# KiCad board gigan rev2.kicad_pcb
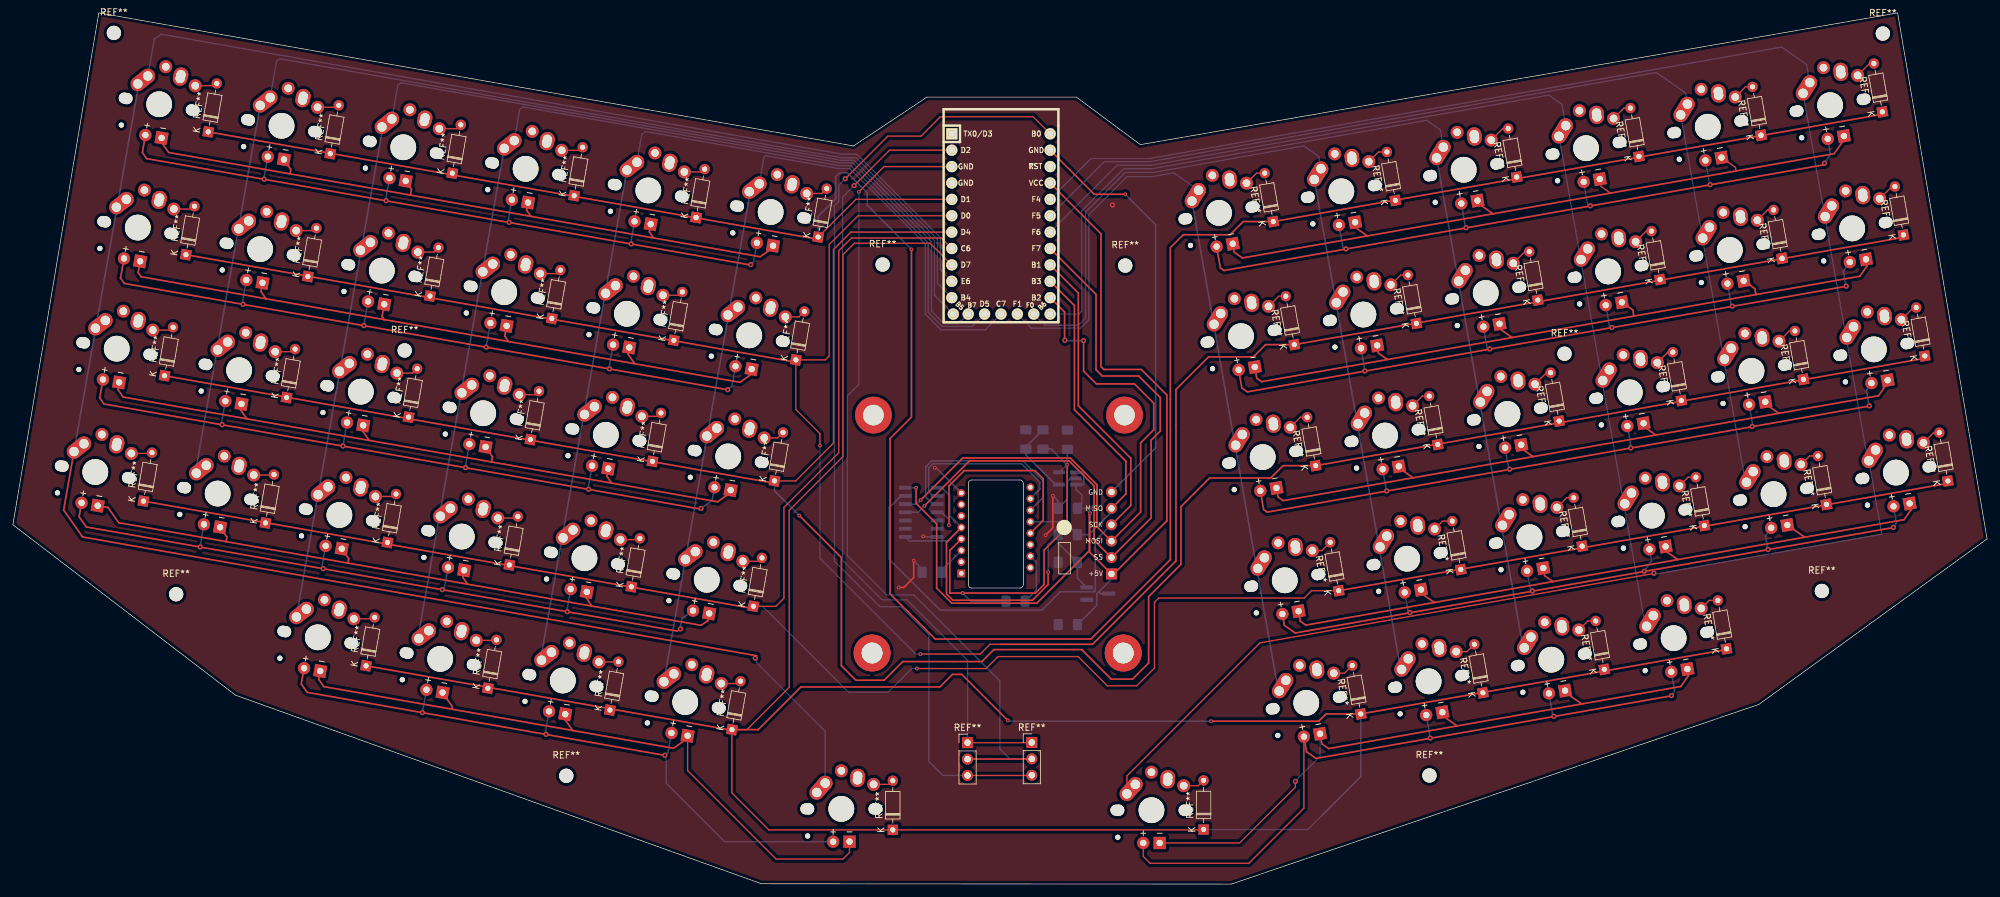
[diagram p0: board, top side]
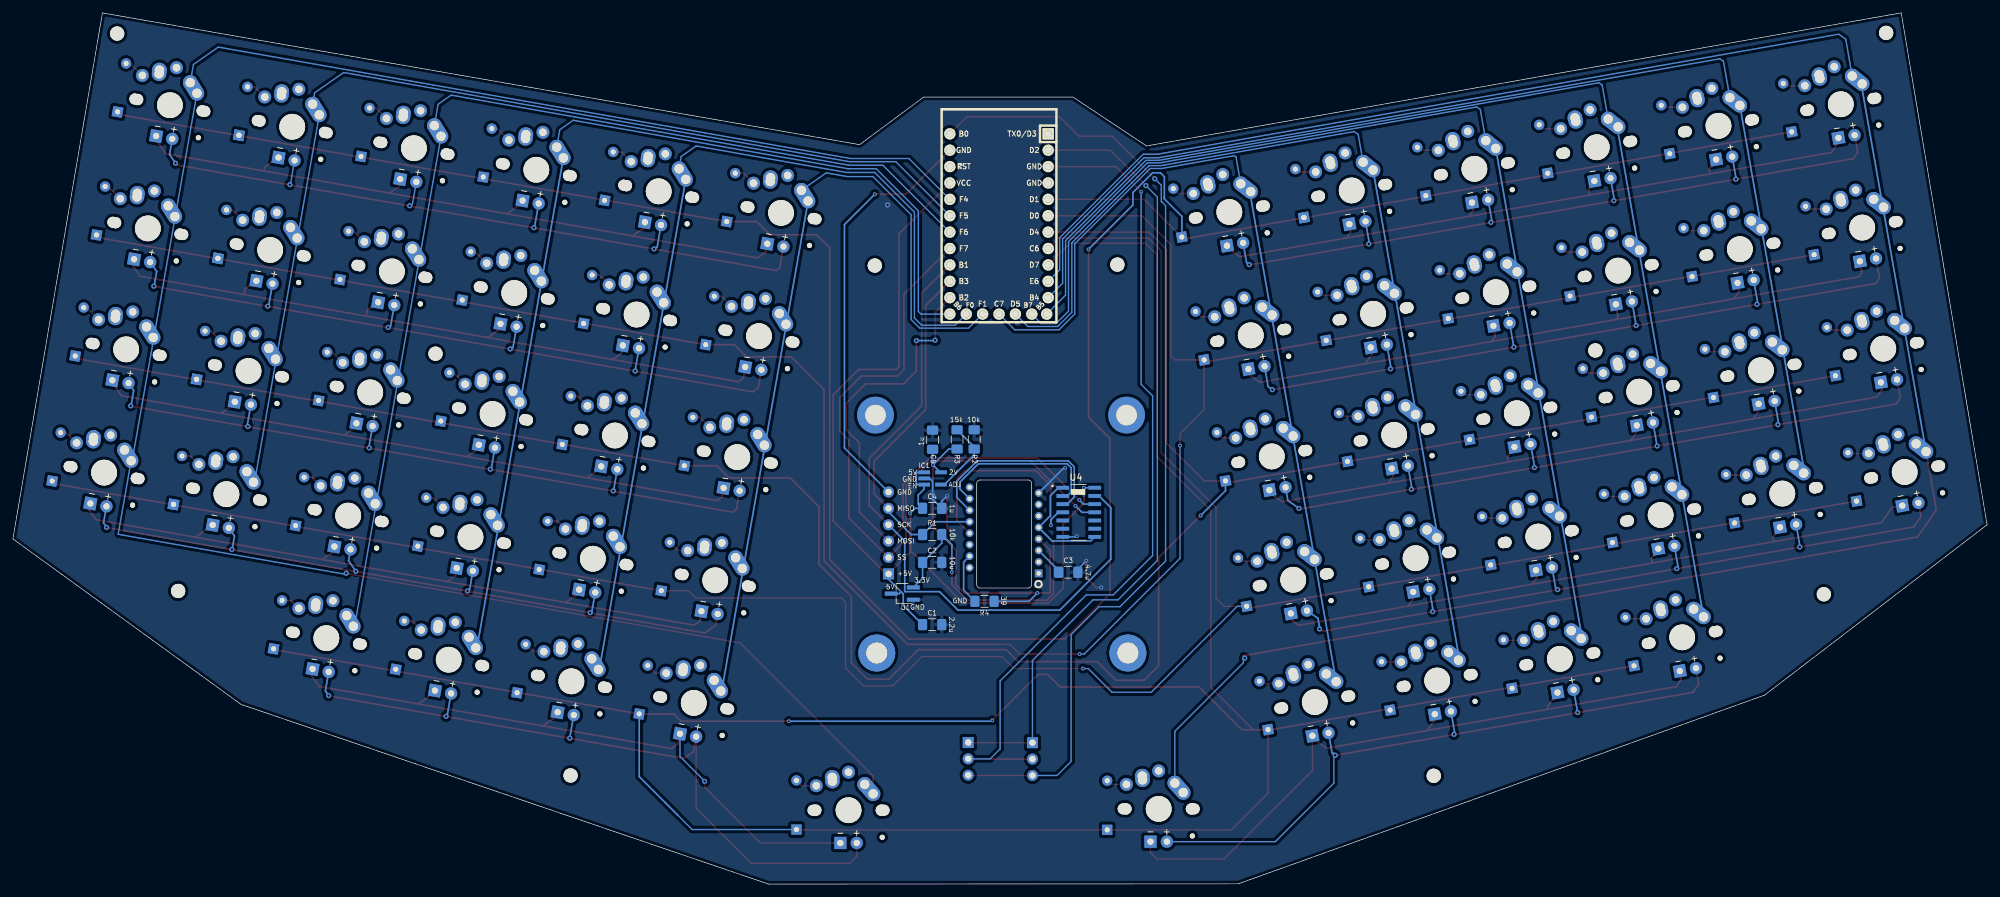
[diagram p1: board, bottom side, seen from below]

Outline 305.92 x 135.05 mm; copper layers: Top, Bottom. Coordinates in mm from the lower left corner of the outline.
Outline path: 0,55.7 13.31,135.05 130.25,114.43 141.63,122 164.8,122 174.7,114.63 292.05,135.05 305.92,53.52 270.56,27.86 188.8,0 116,0.05 34.49,29.29 0,55.7 ; 148.07,62.14 arc(148.22,62.5) 148.57,62.64 156.07,62.64 arc(156.42,62.5) 156.57,62.14 156.57,46.39 arc(156.42,46.04) 156.07,45.89 148.57,45.89 arc(148.22,46.04) 148.07,46.39 148.07,62.14
Stack: Top 0.035mm / dielectric 1.51mm FR4 er 4.5 / Bottom 0.035mm

## Placement (name value [footprint] x y rotation side)
C1  2.2uF  [C_1206_3216Metric_Pad1.42x1.75mm_HandSolder]  163.47 40.22 180 bottom
C2  10uF  [C_1206_3216Metric_Pad1.42x1.75mm_HandSolder]  163.47 49.87 180 bottom
C3  4.7uF  [C_1206_3216Metric_Pad1.42x1.75mm_HandSolder]  142.38 48.35 180 bottom
C4  1uF  [C_1206_3216Metric_Pad1.42x1.75mm_HandSolder]  163.47 58.25 180 bottom
C5  1uF  [C_1206_3216Metric_Pad1.42x1.75mm_HandSolder]  163.41 68.88 90 bottom
IC1  AP7335-WG-7  [AP7331]  163.41 62.88 180 bottom
J1  Conn_01x06_Female  [PinHeader_1x06_P2.54mm_Vertical]  170.23 60.78 0 top
NOREF  -  [unnamed]  270.89 116.08 10 top
NOREF#2  -  [unnamed#2]  172.05 35.82 0 top
NOREF#3  -  [unnamed]  281.03 58.86 10 top
NOREF#4  -  [unnamed]  274.15 97.01 10 top
NOREF#5  -  [unnamed#2]  133.14 35.82 0 top
NOREF#6  -  [#2]  152.4 72.75 0 top
NOREF#7  -  [unnamed#2]  172.26 72.7 0 top
NOREF#8  -  [unnamed]  277.46 78.25 10 top
NOREF#9  -  [unnamed]  105.87 103.33 350 top
NOREF#10  -  [unnamed#2]  133.14 35.82 0 top
NOREF#11  -  [unnamed#2]  172.05 35.82 0 top
NOREF#12  -  [unnamed#2]  133.34 72.7 0 top
R1  10k  [R_1206_3216Metric_Pad1.42x1.75mm_HandSolder]  163.47 54.19 0 bottom
R2  10k  [R_1206_3216Metric_Pad1.42x1.75mm_HandSolder]  156.96 68.93 90 bottom
R3  15k  [R_1206_3216Metric_Pad1.42x1.75mm_HandSolder]  159.61 68.93 270 bottom
R4  39  [R_1206_3216Metric_Pad1.42x1.75mm_HandSolder]  155.36 43.83 0 bottom
REF**  -  [D_DO-35_SOD27_P7.62mm_Horizontal]  58.04 52.96 80 top
REF**#2  1U  [MX-Alps-Choc-1U]  117.42 104.19 350 top
REF**#3  1U  [MX-Alps-Choc-1U]  176.43 11.46 0 top
REF**#4  -  [D_DO-35_SOD27_P7.62mm_Horizontal]  45.71 94.18 80 top
REF**#5  1U  [MX-Alps-Choc-1U]  91.88 69.64 350 top
REF**#6  -  [D_DO-35_SOD27_P7.62mm_Horizontal]  274.15 97.01 100 top
REF**#7  1U  [MX-Alps-Choc-1U]  53.91 76.33 350 top
REF**#8  1U  [MX-Alps-Choc-1U]  72.87 72.99 350 top
REF**#9  1U  [MX-Alps-Choc-1U]  60.49 114.22 350 top
REF**#10  1U  [MX-Alps-Choc-1U]  262.63 117.4 10 top
REF**#11  -  [D_DO-35_SOD27_P7.62mm_Horizontal]  118.02 62.5 80 top
REF**#12  -  [D_DO-35_SOD27_P7.62mm_Horizontal]  102.41 84.29 80 top
REF**#13  1U  [MX-Alps-Choc-1U]  57.17 95.1 350 top
REF**#14  -  [MountingHole_2.2mm_M2]  85.75 16.79 0 top
REF**#15  -  [MountingHole_2.2mm_M2]  219.51 16.84 0 top
REF**#16  -  [D_DO-35_SOD27_P7.62mm_Horizontal]  270.89 116.08 100 top
REF**#17  -  [MountingHole_2.2mm_M2]  15.65 131.95 0 top
REF**#18  1U  [MX-Alps-Choc-1U]  104.18 28.22 350 top
REF**#19  -  [PinHeader_1x03_P2.54mm_Vertical]  147.93 21.92 0 top
REF**#20  1U  [MX-Alps-Choc-1U]  128.37 11.66 0 top
REF**#21  -  [D_DO-35_SOD27_P7.62mm_Horizontal]  39.13 55.99 80 top
REF**#22  1U  [MX-Alps-Choc-1U]  209.27 88.29 10 top
REF**#23  -  [D_DO-35_SOD27_P7.62mm_Horizontal]  262.11 55.58 100 top
REF**#24  1U  [MX-Alps-Choc-1U]  69.55 53.87 350 top
REF**#25  1U  [MX-Alps-Choc-1U]  266.05 98.3 10 top
REF**#26  -  [D_DO-35_SOD27_P7.62mm_Horizontal]  246.59 33.29 100 top
REF**#27  -  [D_DO-35_SOD27_P7.62mm_Horizontal]  258.54 74.96 100 top
REF**#28  1U  [MX-Alps-Choc-1U]  219.38 31.43 10 top
REF**#29  1U  [MX-Alps-Choc-1U]  212.63 69.54 10 top
REF**#30  -  [D_DO-35_SOD27_P7.62mm_Horizontal]  277.46 78.25 100 top
REF**#31  1U  [MX-Alps-Choc-1U]  205.85 107.39 10 top
REF**#32  -  [D_DO-35_SOD27_P7.62mm_Horizontal]  195.31 102.71 100 top
REF**#33  1U  [MX-Alps-Choc-1U]  272.83 60.45 10 top
REF**#34  1U  [MX-Alps-Choc-1U]  197.09 47.09 10 top
REF**#35  -  [D_DO-35_SOD27_P7.62mm_Horizontal]  214.23 105.99 100 top
REF**#36  1U  [MX-Alps-Choc-1U]  31.73 60.54 350 top
REF**#37  1U  [MX-Alps-Choc-1U]  66.21 34.91 350 top
REF**#38  1U  [MX-Alps-Choc-1U]  38.31 98.43 350 top
REF**#39  1U  [MX-Alps-Choc-1U]  269.41 79.55 10 top
REF**#40  -  [MountingHole_2.2mm_M2]  280.31 45.44 0 top
REF**#41  -  [D_DO-35_SOD27_P7.62mm_Horizontal]  42.4 75.42 80 top
REF**#42  -  [D_DO-35_SOD27_P7.62mm_Horizontal]  198.57 83.63 100 top
REF**#43  -  [D_DO-35_SOD27_P7.62mm_Horizontal]  292.96 100.63 100 top
REF**#44  -  [D_DO-35_SOD27_P7.62mm_Horizontal]  99.1 65.53 80 top
REF**#45  1U  [MX-Alps-Choc-1U]  79.45 110.88 350 top
REF**#46  -  [D_DO-35_SOD27_P7.62mm_Horizontal]  114.74 43.07 80 top
REF**#47  -  [D_DO-35_SOD27_P7.62mm_Horizontal]  83.51 87.67 80 top
REF**#48  -  [D_DO-35_SOD27_P7.62mm_Horizontal]  227.79 29.66 100 top
REF**#49  -  [D_DO-35_SOD27_P7.62mm_Horizontal]  64.62 91.16 80 top
REF**#50  1U  [MX-Alps-Choc-1U]  238.39 34.78 10 top
REF**#51  1U  [MX-Alps-Choc-1U]  285.01 101.65 10 top
REF**#52  -  [D_DO-35_SOD27_P7.62mm_Horizontal]  20.23 59.37 80 top
REF**#53  -  [D_DO-35_SOD27_P7.62mm_Horizontal]  255.23 93.72 100 top
REF**#54  -  [D_DO-35_SOD27_P7.62mm_Horizontal]  121.32 81.26 80 top
REF**#55  1U  [MX-Alps-Choc-1U]  19.35 101.77 350 top
REF**#56  -  [D_DO-35_SOD27_P7.62mm_Horizontal]  76.93 49.48 80 top
REF**#57  1U  [MX-Alps-Choc-1U]  12.77 63.88 350 top
REF**#58  -  [D_DO-35_SOD27_P7.62mm_Horizontal]  68.08 110.2 80 top
REF**#59  -  [D_DO-35_SOD27_P7.62mm_Horizontal]  243.17 52.39 100 top
REF**#60  1U  [MX-Alps-Choc-1U]  235.01 53.78 10 top
REF**#61  -  [MountingHole_2.2mm_M2]  134.77 96.04 0 top
REF**#62  1U  [MX-Alps-Choc-1U]  16.09 83 350 top
REF**#63  1U  [MX-Alps-Choc-1U]  288.37 82.89 10 top
REF**#64  -  [D_DO-35_SOD27_P7.62mm_Horizontal]  236.29 90.54 100 top
REF**#65  -  [D_DO-35_SOD27_P7.62mm_Horizontal]  80.2 68.91 80 top
REF**#66  -  [D_DO-35_SOD27_P7.62mm_Horizontal]  281.03 58.86 100 top
REF**#67  1U  [MX-Alps-Choc-1U]  200.42 28.09 10 top
REF**#68  1U  [MX-Alps-Choc-1U]  110.84 66.3 350 top
REF**#69  1U  [MX-Alps-Choc-1U]  41.63 117.55 350 top
REF**#70  1U  [MX-Alps-Choc-1U]  257.35 38.13 10 top
REF**#71  1U  [MX-Alps-Choc-1U]  76.13 91.76 350 top
REF**#72  -  [PinHeader_1x03_P2.54mm_Vertical]  157.89 21.96 0 top
REF**#73  1U  [MX-Alps-Choc-1U]  291.79 63.79 10 top
REF**#74  -  [D_DO-35_SOD27_P7.62mm_Horizontal]  86.97 106.72 80 top
REF**#75  -  [D_DO-35_SOD27_P7.62mm_Horizontal]  224.37 48.77 100 top
REF**#76  1U  [MX-Alps-Choc-1U]  224.81 110.73 10 top
REF**#77  -  [D_DO-35_SOD27_P7.62mm_Horizontal]  95.83 46.09 80 top
REF**#78  -  [D_DO-35_SOD27_P7.62mm_Horizontal]  92.51 26.97 80 top
REF**#79  1U  [MX-Alps-Choc-1U]  193.67 66.19 10 top
REF**#80  1U  [MX-Alps-Choc-1U]  243.77 114.08 10 top
REF**#81  -  [D_DO-35_SOD27_P7.62mm_Horizontal]  49.17 113.23 80 top
REF**#82  1U  [MX-Alps-Choc-1U]  95.14 88.41 350 top
REF**#83  1U  [MX-Alps-Choc-1U]  250.55 76.22 10 top
REF**#84  1U  [MX-Alps-Choc-1U]  281.59 120.75 10 top
REF**#85  -  [D_DO-35_SOD27_P7.62mm_Horizontal]  111.42 23.95 80 top
REF**#86  1U  [MX-Alps-Choc-1U]  98.46 107.53 350 top
REF**#87  -  [D_DO-35_SOD27_P7.62mm_Horizontal]  73.61 30.36 80 top
REF**#88  -  [D_DO-35_SOD27_P7.62mm_Horizontal]  30.27 116.61 80 top
REF**#89  -  [MountingHole_2.2mm_M2]  60.71 82.73 0 top
REF**#90  1U  [MX-Alps-Choc-1U]  47.25 38.25 350 top
REF**#91  -  [D_DO-35_SOD27_P7.62mm_Horizontal]  105.87 103.33 80 top
REF**#92  -  [D_DO-35_SOD27_P7.62mm_Horizontal]  251.97 112.8 100 top
REF**#93  -  [D_DO-35_SOD27_P7.62mm_Horizontal]  26.81 97.57 80 top
REF**#94  -  [D_DO-35_SOD27_P7.62mm_Horizontal]  233.03 109.62 100 top
REF**#95  -  [D_DO-35_SOD27_P7.62mm_Horizontal]  239.6 71.78 100 top
REF**#96  -  [D_DO-35_SOD27_P7.62mm_Horizontal]  124.78 100.31 80 top
REF**#97  -  [D_DO-35_SOD27_P7.62mm_Horizontal]  201.87 64.87 100 top
REF**#98  1U  [MX-Alps-Choc-1U]  186.89 104.05 10 top
REF**#99  1U  [MX-Alps-Choc-1U]  231.59 72.88 10 top
REF**#100  -  [D_DO-35_SOD27_P7.62mm_Horizontal]  23.5 78.81 80 top
REF**#101  -  [D_DO-35_SOD27_P7.62mm_Horizontal]  54.72 33.84 80 top
REF**#102  -  [D_DO-35_SOD27_P7.62mm_Horizontal]  208.87 26.38 100 top
REF**#103  1U  [MX-Alps-Choc-1U]  247.19 94.98 10 top
REF**#104  1U  [MX-Alps-Choc-1U]  50.59 57.22 350 top
REF**#105  -  [MountingHole_2.2mm_M2]  172.36 95.89 0 top
REF**#106  -  [D_DO-35_SOD27_P7.62mm_Horizontal]  296.27 81.87 100 top
REF**#107  1U  [MX-Alps-Choc-1U]  107.52 47.18 350 top
REF**#108  1U  [MX-Alps-Choc-1U]  114.1 85.07 350 top
REF**#109  -  [D_DO-35_SOD27_P7.62mm_Horizontal]  184.51 8.46 90 top
REF**#110  -  [MountingHole_2.2mm_M2]  240.44 82.22 0 top
REF**#111  1U  [MX-Alps-Choc-1U]  216.05 50.44 10 top
REF**#112  -  [D_DO-35_SOD27_P7.62mm_Horizontal]  136.35 8.41 90 top
REF**#113  1U  [MX-Alps-Choc-1U]  190.31 84.95 10 top
REF**#114  -  [D_DO-35_SOD27_P7.62mm_Horizontal]  265.53 36.47 100 top
REF**#115  1U  [MX-Alps-Choc-1U]  85.22 31.56 350 top
REF**#116  -  [MountingHole_2.2mm_M2]  289.76 131.85 0 top
REF**#117  1U  [MX-Alps-Choc-1U]  228.23 91.63 10 top
REF**#118  -  [D_DO-35_SOD27_P7.62mm_Horizontal]  289.7 119.71 100 top
REF**#119  -  [D_DO-35_SOD27_P7.62mm_Horizontal]  205.45 45.48 100 top
REF**#120  -  [D_DO-35_SOD27_P7.62mm_Horizontal]  299.84 62.49 100 top
REF**#121  -  [MountingHole_2.2mm_M2]  25.3 44.93 0 top
REF**#122  1U  [MX-Alps-Choc-1U]  88.56 50.52 350 top
REF**#123  -  [D_DO-35_SOD27_P7.62mm_Horizontal]  61.32 72.4 80 top
REF**#124  1U  [MX-Alps-Choc-1U]  22.67 120.89 350 top
REF**#125  1U  [MX-Alps-Choc-1U]  35.05 79.66 350 top
REF**#126  -  [D_DO-35_SOD27_P7.62mm_Horizontal]  220.79 68.15 100 top
REF**#127  1U  [MX-Alps-Choc-1U]  253.97 57.12 10 top
REF**#128  -  [D_DO-35_SOD27_P7.62mm_Horizontal]  217.49 86.91 100 top
U1  -  [Elite-C]  153.11 102.34 270 top
U1#2  XC6206P332MR  [TSOT-23_HandSoldering]  168.11 45.03 0 bottom
U2  PMW3360DM-T2QU  [DIP-16_W10.16mm]  148.07 46.64 0 bottom
U4  TXS0104EDR  [SOIC127P600X175-14N]  140.76 57.63 180 bottom

## Library data of the parts
C1 = -: LCSC: C1858
C2 = -: LCSC: C152957
C3 = -: LCSC: C29823
C4 C5 = -: LCSC: C1926
IC1 = -: Description: LDO Voltage Regulators LDO SOT-25 ADJUSTABLE 300MA; Arrow Part Number: AP7331-WG-7; Arrow Price/Stock: https://www.arrow.com/en/products/ap7331-wg-7/diodes-incorporated?region=nac; Height: 1.45; LCSC: C460382; Manufacturer_Name: Diodes Inc.; Manufacturer_Part_Number: AP7331-WG-7; Mouser Part Number: 621-AP7331-WG-7; Mouser Price/Stock: https://www.mouser.co.uk/ProductDetail/Diodes-Incorporated/AP7331-WG-7?qs=vIZ3oKQCLxr9PiNSCoXN%2FQ%3D%3D
R1 R2 = -: LCSC: C328409
R3 = -: LCSC: C351534
R4 = -: LCSC: C153384
U1#2 = -: LCSC: C347376
U4 = -: LCSC: C79342

## Footprints (pads in the part's own frame, mm; a bottom-side part is the same pattern mirrored in y, then rotated)
AP7331
  rect 1.8x0.6 smd: 1(-1.3,0.95) 2(-1.3,0) 3(-1.3,-0.95) 4(1.3,-0.95) 5(1.3,0.95)
C_1206_3216Metric_Pad1.42x1.75mm_HandSolder
  rrect 1.425x1.75 smd: 1(-1.488,0) 2(1.488,0)
D_DO-35_SOD27_P7.62mm_Horizontal
  rect 1.6x1.6 hole 0.8: 1(0,0)
  oval 1.6x1.6 hole 0.8: 2(7.62,0)
DIP-16_W10.16mm
  rect 1.2x1.2 hole 0.7: 1(-1.1,-1.52)
  round 1.2 hole 0.7: 2(-1.1,-3.3) 3(-1.1,-5.08) 4(-1.1,-6.86) 5(-1.1,-8.64) 6(-1.1,-10.42) 7(-1.1,-12.2) 8(-1.1,-13.98) 9(9.6,-14.87) 10(9.6,-13.09) 11(9.6,-11.31) 12(9.6,-9.53) 13(9.6,-7.75) 14(9.6,-5.97) 15(9.6,-4.19) 16(9.6,-2.41)
Elite-C
  rect 1.753x1.753 hole 1.092: 1(-13.97,-7.62)
  round 1.753 hole 1.092: 2(-11.43,-7.62) 3(-8.89,-7.62) 4(-6.35,-7.62) 5(-3.81,-7.62) 6(-1.27,-7.62) 7(1.27,-7.62) 8(3.81,-7.62) 9(6.35,-7.62) 10(8.89,-7.62) 11(11.43,-7.62) 12(13.97,-7.391) 13(13.97,7.62) 14(11.43,7.62) 15(8.89,7.62) 16(6.35,7.62) 17(3.81,7.62) 18(1.27,7.62) 19(-1.27,7.62) 20(-3.81,7.62) 21(-6.35,7.62) 22(-8.89,7.62) 23(-11.43,7.62) 24(-13.97,7.62) 25(13.97,-5.08) 26(13.97,-2.54) 27(13.97,0) 28(13.97,2.54) 29(13.97,5.08)
MountingHole_2.2mm_M2
  round 2.2 hole 2.2 unplated: (0,0)
MX-Alps-Choc-1U
  round 1.7 hole 1.7 unplated: (-5.5,0) (5.5,0)
  round 0.8 hole 0.8 unplated: (-5.22,-4.2)
  round 1.75 hole 1.75 unplated: (-5.08,0) (5.08,0)
  round 3.988 hole 3.988 unplated: (0,0)
  oval 4.212x2.25 hole 1.47 rot 48.1: 1(-3.81,2.54)
  round 2.25 hole 1.47: 1(-2.5,4) 2(2.54,5.08)
  round 2 hole 1.2: 1(0,5.9) 2(5,3.8)
  oval 2.831x2.25 hole 1.47 rot 86.1: 2(2.5,4.5)
  round 1.905 hole 0.991: 3(-1.27,-5.08)
  rect 1.905x1.905 hole 0.991: 4(1.27,-5.08)
PinHeader_1x03_P2.54mm_Vertical
  rect 1.7x1.7 hole 1: 1(0,0)
  oval 1.7x1.7 hole 1: 2(0,-2.54) 3(0,-5.08)
PinHeader_1x06_P2.54mm_Vertical
  oval 1.7x1.7 hole 1: 1(0,0) 2(0,-2.54) 3(0,-5.08) 4(0,-7.62) 5(0,-10.16)
  rect 1.7x1.7 hole 1: 6(0,-12.7)
R_1206_3216Metric_Pad1.42x1.75mm_HandSolder
  rrect 1.425x1.75 smd: 1(-1.488,0) 2(1.488,0)
SOIC127P600X175-14N
  rect 1.97x0.6 smd: 1(-2.475,3.81) 2(-2.475,2.54) 3(-2.475,1.27) 4(-2.475,0) 5(-2.475,-1.27) 6(-2.475,-2.54) 7(-2.475,-3.81) 8(2.475,-3.81) 9(2.475,-2.54) 10(2.475,-1.27) 11(2.475,0) 12(2.475,1.27) 13(2.475,2.54) 14(2.475,3.81)
TSOT-23_HandSoldering
  rect 2x0.65 smd: 1(-1.71,0.95) 2(-1.71,-0.95) 3(1.71,0)
unnamed
  rect 1.6x1.6 hole 0.8: 1(0,0)
unnamed#2
  round 5.7 hole 3.2: 1(0,0)

## Nets
GND: C1.2 C2.2 C3.2 C4.2 C5.2 IC1.2 R2.2 U1#2.1 U2.8 U4.7
VDD_2V: C5.1 IC1.5 R3.2 R4.1 U2.4
VDD_3.3V: C2.1 R1.1 U1#2.2 U2.5 U4.1 U4.8
VDD_5V: C1.1 C4.1 IC1.1 IC1.3 J1.6 U1#2.3 U4.14
MISO: J1.2 R1.2 U2.12
MOSI: U2.11 U4.3
MOSI_I: J1.4 U4.12
NCS: U2.13 U4.4
NCS_I: J1.5 U4.11
SCLK: U2.10 U4.2
SCLK_I: J1.3 U4.13
Net-(C3-Pad1): C3.1 U2.3
Net-(IC1-Pad4): IC1.4 R2.1 R3.1
Net-(R4-Pad2): R4.2 U2.15

Pads without a net: J1 1; NOREF 1; NOREF#2 1; NOREF#3 1; NOREF#4 1; NOREF#5 1; NOREF#7 1; NOREF#8 1; NOREF#9 1; NOREF#10 1; NOREF#11 1; NOREF#12 1; REF** 1 2; REF**#2 1 2 3 4; REF**#3 1 2 3 4; REF**#4 1 2; REF**#5 1 2 3 4; REF**#6 1 2; REF**#7 1 2 3 4; REF**#8 1 2 3 4; REF**#9 1 2 3 4; REF**#10 1 2 3 4; REF**#11 1 2; REF**#12 1 2; REF**#13 1 2 3 4; REF**#16 1 2; REF**#18 1 2 3 4; REF**#19 1 2 3; REF**#20 1 2 3 4; REF**#21 1 2; REF**#22 1 2 3 4; REF**#23 1 2; REF**#24 1 2 3 4; REF**#25 1 2 3 4; REF**#26 1 2; REF**#27 1 2; REF**#28 1 2 3 4; REF**#29 1 2 3 4; REF**#30 1 2; REF**#31 1 2 3 4; REF**#32 1 2; REF**#33 1 2 3 4; REF**#34 1 2 3 4; REF**#35 1 2; REF**#36 1 2 3 4; REF**#37 1 2 3 4; REF**#38 1 2 3 4; REF**#39 1 2 3 4; REF**#41 1 2; REF**#42 1 2; REF**#43 1 2; REF**#44 1 2; REF**#45 1 2 3 4; REF**#46 1 2; REF**#47 1 2; REF**#48 1 2; REF**#49 1 2; REF**#50 1 2 3 4; REF**#51 1 2 3 4; REF**#52 1 2; REF**#53 1 2; REF**#54 1 2; REF**#55 1 2 3 4; REF**#56 1 2; REF**#57 1 2 3 4; REF**#58 1 2; REF**#59 1 2; REF**#60 1 2 3 4; REF**#62 1 2 3 4; REF**#63 1 2 3 4; REF**#64 1 2; REF**#65 1 2; REF**#66 1 2; REF**#67 1 2 3 4; REF**#68 1 2 3 4; REF**#69 1 2 3 4; REF**#70 1 2 3 4; REF**#71 1 2 3 4; REF**#72 1 2 3; REF**#73 1 2 3 4; REF**#74 1 2; REF**#75 1 2; REF**#76 1 2 3 4; REF**#77 1 2; REF**#78 1 2; REF**#79 1 2 3 4; REF**#80 1 2 3 4; REF**#81 1 2; REF**#82 1 2 3 4; REF**#83 1 2 3 4; REF**#84 1 2 3 4; REF**#85 1 2; REF**#86 1 2 3 4; REF**#87 1 2; REF**#88 1 2; REF**#90 1 2 3 4; REF**#91 1 2; REF**#92 1 2; REF**#93 1 2; REF**#94 1 2; REF**#95 1 2; REF**#96 1 2; REF**#97 1 2; REF**#98 1 2 3 4; REF**#99 1 2 3 4; REF**#100 1 2; REF**#101 1 2; REF**#102 1 2; REF**#103 1 2 3 4; REF**#104 1 2 3 4; REF**#106 1 2; REF**#107 1 2 3 4; REF**#108 1 2 3 4; REF**#109 1 2; REF**#111 1 2 3 4; REF**#112 1 2; REF**#113 1 2 3 4; REF**#114 1 2; REF**#115 1 2 3 4; REF**#117 1 2 3 4; REF**#118 1 2; REF**#119 1 2; REF**#120 1 2; REF**#122 1 2 3 4; REF**#123 1 2; REF**#124 1 2 3 4; REF**#125 1 2 3 4; REF**#126 1 2; REF**#127 1 2 3 4; REF**#128 1 2; U1 1 2 3 4 5 6 7 8 9 10 11 12 13 14 15 16 17 18 19 20 21 22 23 24 25 26 27 28 29; U2 1 2 6 7 9 14 16; U4 5 6 9 10

## Via types
v1: diameter 0.8, hole 0.4, Top to Bottom, 54 vias
v2: diameter 0.6, hole 0.3, Top to Bottom, 23 vias

## Routing (per net, layer and track width the routed paths; a pad name or vN(x,y) marks a point on that pad's centre or on a via; arc(x,y) is an arc through that point)
GND: length 30.9
  Top w0.25: v2(160.01,54.08) 161.16,55.23 v2(161.16,60.18) ; v2(139.59,50.12) 139.59,47.52 138.05,45.98 v2(137.26,45.98)
  Bottom w0.25: v2(161.16,60.18) 161.98,59.36 C4.2 163.41,59.68 163.41,62.43 163.86,62.88 IC1.2 ; U4.7 141.17,53.82 v2(141.06,53.93) ; U2.8 143.06,64.53 v2(142.86,64.53) ; C3.2 140.9,48.82 v2(139.59,50.12)
  vias: v1(170.38,105.28)
VDD_2V: length 60.5
  Top w0.25: U2.4 145.18,51.72 145.18,45.12 v2(147.17,45.12) 158.46,45.12 159.78,46.44 159.78,51.78 163.36,55.35 v2(163.36,64.98)
  Bottom w0.25: v2(163.36,64.98) 160.89,67.45 R3.2 ; v2(163.36,64.98) 163.41,65.03 C5.1 ; v2(163.36,64.98) 162.21,63.83 IC1.5 ; R4.1 148.46,43.83 v2(147.17,45.12)
VDD_3.3V: length 64.8
  Top w0.25: U2.5 144.67,52.99 144.67,44.99 145.65,44.01 157.99,44.01 160.42,46.44 v2(160.42,48.35)
  Bottom w0.25: U4.8 138.91,53.2 144.88,53.2 U2.5 145.16,57.1 145.16,60.2 143.92,61.44 U4.1 ; v2(160.42,48.35) 160.42,52.63 R1.1 161.98,52.85 C2.1 164.95,47.42 166.39,45.98 U1#2.2
VDD_5V: length 160.9
  Top w0.25: 166.83,57.29 166.83,51.71 158.68,43.56 145.47,43.56 143.15,45.88 143.15,55.84 139.96,59.03 v2(139.96,61.43) ; 166.83,57.29 166.91,57.37 v2(166.91,57.49) ; 166.83,57.29 166.83,51.49 J1.6 ; 160.73,108.69 168.61,100.81 168.61,80.24 169.06,79.78 174.85,79.78 178.82,75.82 178.82,56.31 170.6,48.09
  Bottom w0.25: U4.14 138.29,61.43 v2(139.96,61.43) ; 168.27,45.31 167.95,44.99 167.95,43.21 C1.1 ; 168.27,45.31 168.56,45.03 U1#2.3 ; 168.27,45.31 170.23,47.27 J1.6 ; C4.1 165.63,58.93 165.63,60.31 164.71,61.23 IC1.3 165.86,61.93 165.93,62.01 165.93,63.76 165.86,63.83 IC1.1 ; C4.1 164.67,58.54 ; C4.1 166.14,58.25 v2(166.91,57.49)
(no net): length 7185.6
  Top w0.2: REF**#112.2 135.78,15.46 REF**#20.2 ; REF**#10.2 268.47,123.59 REF**#16.2 ; REF**#26.2 244.05,40.79 REF**#50.2 ; REF**#66.2 278.4,66.37 REF**#33.2 ; REF**#32.2 192.7,110.21 REF**#98.2 ; U1.24 158.09,118.95 143.71,118.95 140.72,115.95 135.59,115.95 v1(128.98,109.35) ; REF**#95.2 237.64,79.28 REF**#99.2 ; REF**#113.2 196.15,91.13 REF**#42.2 ; REF**#120.2 297.64,69.99 REF**#73.2 ; REF**#100.2 24.39,85.88 REF**#62.2 ; REF**#127.2 259.58,63.08 REF**#23.2 ; 157.94,16.89 157.89,16.84 REF**#19.3 ; REF**#46.2 115.55,50.05 REF**#107.2 ; U1.3 135.18,111.23 135.15,111.25 135.03,111.25 v2(131.09,107.31) ; REF**#71.2 84.29,94.64 REF**#47.2 ; REF**#102.2 206.36,32.7 REF**#67.2 ; U1.6 130.96,103.61 126.49,99.14 126.49,81.86 125.89,81.26 REF**#54.1 121.32,73.57 125.06,69.83 v2(125.06,67.98) ; REF**#60.2 240.78,59.9 REF**#59.2 ; REF**#128.2 215.05,94.42 REF**#22.2 ; REF**#74.2 87.83,113.75 REF**#45.2 ; REF**#78.2 93.79,34.43 REF**#115.2 ; REF**#92.2 249.65,120.3 REF**#80.2 ; REF**#106.2 294.51,89.38 REF**#63.2 ; REF**#104.2 58.99,60.09 REF**.2 ; REF**#6.2 271.91,104.51 REF**#25.2 ; REF**#126.2 218.4,75.66 REF**#29.2 ; REF**#28.2 225.34,36.04 REF**#48.2 ; REF**#53.2 253.09,101.23 REF**#103.2 ; REF**#7.2 61.95,79.21 REF**#123.2 ; 157.94,21.97 157.89,21.92 REF**#19.1 ; U1.9 142.14,99.34 130.4,99.34 128.63,97.56 128.63,66.27 120.29,57.94 120.29,30.51 113.74,23.95 REF**#85.1 111.42,14.12 117.13,8.41 REF**#112.1 184.45,8.41 REF**#109.1 ; REF**#69.2 50.19,120.42 REF**#81.2 ; REF**#10.4 266.92,111.11 267.02,110.55 ; 247.56,107.12 246.11,108.13 REF**#80.4 ; 254.24,48.15 193.26,37.4 172.62,16.76 REF**#3.1 ; REF**#2.2 125.36,107.06 REF**#96.2 ; REF**#77.2 96.95,53.39 REF**#122.2 ; REF**#46.1 118.23,43.07 119.48,44.32 119.48,58.39 127.97,66.88 127.97,98.17 129.95,100.15 143.87,100.15 U1.8 ; REF**#36.2 40.38,63.41 REF**#21.2 ; REF**#30.2 275.26,85.75 REF**#39.2 ; REF**#85.2 112.39,31.09 REF**#18.2 ; REF**#55.2 27.71,104.65 REF**#93.2 ; 184.51,15.32 184.51,16.48 ; REF**#34.2 202.84,51.7 REF**#119.2 ; U1.5 130.62,106.15 REF**#96.1 ; REF**#5.2 99.91,72.51 REF**#44.2 ; REF**#8.2 80.97,75.87 REF**#65.2 ; REF**#4.2 46.65,101.3 REF**#38.2 ; REF**#41.2 43.33,82.53 REF**#125.2 ; REF**#94.2 230.85,117.12 REF**#76.2 ; REF**#49.2 65.26,97.98 REF**#13.2 ; REF**#118.2 287.71,127.21 REF**#84.2 ; REF**#43.2 291.16,108.14 REF**#51.2 ; U1.2 135.84,113.77 v1(130.35,108.28) ; REF**#20.4 129.64,4.9 128.63,3.89 118.26,3.89 104.55,17.6 REF**#18.4 ; REF**#119.1 201.24,45.48 200.1,44.34 177.55,44.34 176.9,43.69 176.9,33.49 174.14,30.73 169.6,30.73 165.06,35.27 152.66,35.27 150.8,33.41 v2(140.09,33.41) ; REF**#91.2 106.76,110.4 REF**#86.2 ; REF**#12.2 103.22,91.28 REF**#82.2 ; REF**#54.2 121.82,87.94 REF**#108.2 ; REF**#24.2 78.02,56.75 REF**#56.2 ; REF**#58.2 68.8,117.1 REF**#9.2 ; REF**#11.2 118.5,69.17 REF**#68.2 ; REF**#67.3 200.05,11.76 191.52,3.23 176.23,3.23 175.16,4.29 REF**#3.3 ; 198.73,15.98 198.73,15.01 190.09,6.38 REF**#3.4 ; REF**#101.2 55.83,41.13 REF**#90.2 ; REF**#52.2 21.43,66.76 REF**#57.2 ; REF**#3.2 183.68,15.26 REF**#109.2 ; REF**#88.2 31.24,123.77 REF**#124.2 ; REF**#97.2 199.5,72.37 REF**#79.2 ; REF**#75.2 221.54,56.27 REF**#111.2 ; 153.01,37.17 151.4,37.17 149.89,35.66 v2(140.62,35.66) ; REF**#117.2 234.29,98.04 REF**#64.2 ; REF**#87.2 74.86,37.79 REF**#37.2 ; REF**#11.1 121.31,62.5 127.15,68.35 127.15,98.37 129.84,101.07 U1.7 ; REF**#35.2 211.61,113.49 REF**#31.2 ; REF**#70.2 262.85,43.98 REF**#114.2 ; REF**#83.2 256.44,82.47 REF**#27.2
  Top w0.25: 114.28,96.02 114.22,95.98 76.85,102.57 57.79,105.93 38.88,109.27 20.72,112.47 20.06,113.41 REF**#124.3 ; 33.05,53.09 33.17,53.79 REF**#36.4 ; 33.05,53.09 16.39,56.02 14.74,58.38 REF**#57.4 ; 33.05,53.09 51.91,49.76 ; REF**#120.1 299.55,62.07 REF**#119.1 ; REF**#96.1 124.37,100.02 REF**#88.1 ; REF**#55.4 19.41,94.8 19.86,94.15 39.22,90.74 ; v2(139.24,98.39) 139.24,72.39 135.93,69.08 135.93,44.98 142.93,37.98 167.04,37.98 179.36,50.3 179.36,98.67 181.35,100.66 188.6,100.66 190.64,102.71 REF**#32.1 289.41,119.3 REF**#118.1 ; 36.25,72.12 17.09,75.5 16.26,76.68 REF**#62.4 ; 36.25,72.12 55.21,68.78 ; 36.25,72.12 35.26,73.54 35.42,74.44 ; 216.96,62.99 235.57,66.27 ; 216.96,62.99 214.81,64.49 REF**#29.4 ; 216.96,62.99 196.85,59.44 196.05,60 REF**#79.4 ; 235.57,66.27 233.83,67.49 REF**#99.4 ; 235.57,66.27 254.58,69.62 ; REF**#79.3 193.81,58.06 194.38,57.66 231.9,64.28 269.47,70.9 287.63,74.11 ; REF**#24.4 69.73,47.55 70.47,46.49 ; REF**#83.4 252.78,70.88 254.58,69.62 ; 99.28,100.16 115.79,97.25 117.73,98.61 REF**#2.4 ; 99.28,100.16 98.62,101.1 REF**#86.4 ; 99.28,100.16 80.27,103.52 ; REF**#63.4 290.56,77.79 289.1,75.71 273.64,72.98 ; REF**#33.4 277.53,53.87 277.55,53.76 ; 70.47,46.49 89.73,43.09 ; 70.47,46.49 51.91,49.76 ; REF**#117.4 230.52,85.99 232.31,84.73 ; REF**#50.4 240.57,29.7 243.1,27.93 ; REF**#103.4 251.01,89.02 251.18,88.05 ; REF**#115.4 85.46,25.64 86.74,23.81 ; 86.74,23.81 102.35,21.06 104.47,22.54 REF**#18.4 ; 86.74,23.81 68.03,27.11 ; 57.53,87.51 57.2,87.98 REF**#13.4 ; 57.53,87.51 39.22,90.74 ; 57.53,87.51 76.79,84.11 ; 229.35,103.91 247.56,107.12 267.02,110.55 282.23,113.23 283.81,115.5 REF**#84.4 ; 229.35,103.91 209.88,100.48 ; 229.35,103.91 227.02,105.54 REF**#76.4 ; REF**#67.3 200.46,20.51 201.93,19.48 219.59,22.6 238.75,25.98 256.96,29.19 ; 39.22,90.74 38.44,91.86 REF**#38.4 ; 277.55,53.76 293.06,56.49 294.1,57.99 REF**#73.4 ; 277.55,53.76 257.99,50.31 ; 74.17,65.44 74.31,66.24 REF**#8.4 ; 74.17,65.44 92.78,62.16 ; 74.17,65.44 55.21,68.78 ; 115.25,35.39 10.79,53.81 7.86,57.99 REF**#57.1 9.79,66.58 ; REF**#22.4 211.62,82.3 213,81.32 ; REF**#113.3 190.44,76.91 191.29,76.31 209.45,79.51 247.73,86.26 266.39,89.55 284.05,92.66 ; 89.73,43.09 106.64,40.11 107.7,40.85 REF**#107.4 ; 89.73,43.09 88.78,44.45 REF**#122.4 ; 254.58,69.62 273.64,72.98 ; REF**#34.4 199.5,40.75 200.35,40.15 220.26,43.66 ; 232.31,84.73 251.18,88.05 ; 232.31,84.73 213,81.32 ; 251.18,88.05 270.09,91.39 ; 61.61,106.81 61.76,107.71 REF**#9.4 ; 61.61,106.81 80.27,103.52 ; 61.61,106.81 42.94,110.1 ; REF**#68.4 111.13,60.62 109.19,59.26 92.78,62.16 ; 42.94,110.1 24.13,113.41 22.94,115.12 REF**#124.4 ; 42.94,110.1 43.07,110.8 REF**#69.4 ; 273.64,72.98 271.61,74.41 REF**#39.4 ; 103.39,39.55 102.92,39.22 85.86,42.23 66.5,45.64 48.04,48.9 28.98,52.26 11.37,55.36 10.26,56.95 REF**#57.3 ; REF**#43.1 292.67,100.22 REF**#42.1 194.11,83.63 192.22,81.73 185.28,81.73 180.22,76.67 180.22,50.1 167.29,37.17 153.01,37.17 ; REF**#28.4 221.62,26.05 223.79,24.52 ; REF**#106.1 295.98,81.46 REF**#97.1 196.82,64.87 194.92,62.96 185.45,62.96 181,58.51 181,49.57 175.99,44.56 175.99,34.27 173.49,31.77 170.2,31.77 165.62,36.35 152.01,36.35 150.15,34.49 137.89,34.49 135,31.6 130.63,31.6 128.38,33.85 128.38,50.61 v2(121.86,57.13) ; REF**#25.4 269.93,92.3 270.09,91.39 ; 220.26,43.66 238.62,46.9 ; 220.26,43.66 218.29,45.04 REF**#111.4 ; 238.62,46.9 257.99,50.31 ; 238.62,46.9 237.35,47.78 REF**#60.4 ; v2(185.67,25.25) 202.35,25.25 203.48,26.38 REF**#102.1 265.45,36.36 REF**#114.1 ; 213,81.32 193.49,77.88 192.75,78.4 REF**#113.4 ; 209.88,100.48 208.14,101.7 REF**#31.4 ; 209.88,100.48 190.52,97.06 189.25,97.95 REF**#98.4 ; REF**#54.1 120.91,80.98 REF**#93.1 ; REF**#34.3 197.03,40.11 198.71,38.93 216.42,42.05 235.43,45.4 252.74,48.46 271.95,51.84 291.36,55.27 ; REF**#51.4 287.33,95.84 286.2,94.23 270.09,91.39 ; 80.27,103.52 79.61,104.46 REF**#45.4 ; U1.23 167.56,106.93 v2(172.36,106.93) ; 92.78,62.16 92.04,63.22 REF**#5.4 ; 68.03,27.11 68.1,27.51 REF**#37.4 ; 68.03,27.11 48.17,30.61 47.39,31.73 REF**#90.4 ; REF**#98.3 187.11,95.51 187.67,95.12 225.14,101.72 244.4,105.12 262.96,108.39 280.52,111.49 280.69,111.72 ; REF**#62.3 13.45,75.37 14.11,74.43 32.37,71.21 51.08,67.91 70.1,64.56 89.16,61.2 106.47,58.14 106.58,58.23 ; REF**#82.4 95.32,82.13 96.35,80.66 ; REF**#52.1 114.33,42.78 REF**#46.1 ; REF**#108.4 114.31,78.94 112.66,77.79 96.35,80.66 ; REF**#70.4 259.66,32.34 258.46,30.64 243.1,27.93 ; 257.99,50.31 256.25,51.53 REF**#127.4 ; 55.21,68.78 54.14,70.31 REF**#7.4 ; 51.91,49.76 52.03,50.46 REF**#104.4 ; 76.79,84.11 96.35,80.66 ; 76.79,84.11 76.22,84.94 REF**#71.4 ; 223.79,24.52 203.88,21.01 202.82,21.75 REF**#67.4 ; 223.79,24.52 243.1,27.93 ; REF**#55.3 16.68,93.94 17.25,93.12 35.61,89.88 54.32,86.58 110.71,76.64 ; REF**#72.2 157.85,19.38 REF**#19.2 ; v2(154.17,25.38) 147.05,32.5 145.58,32.5 143.64,30.56 122.11,30.56 115.49,23.95 REF**#85.1 111.31,23.86 REF**#101.1 ; 100.97,19.96 82.56,23.21 63.4,26.59 45.59,29.73 44.68,31.02 REF**#90.3 ; REF**#100.1 117.6,62.22 REF**#11.1
  Bottom w0.2: U1.26 148.64,86.44 144.02,86.44 141.83,88.62 141.83,99.39 129.85,111.37 128.03,111.37 98.06,116.66 97.46,116.23 REF**#86.1 ; U1.29 159.92,86.64 165.1,86.64 166.22,87.76 166.22,104.17 172.37,110.32 176.72,110.32 200.03,114.43 202.36,112.8 REF**#31.1 ; 262.96,108.39 262.93,108.42 REF**#10.3 ; REF**#19.3 144.12,16.84 141.94,19.02 141.94,38.68 137.62,43 134.37,43 127.3,50.06 127.3,105.18 127.97,105.84 127.97,108.33 v1(128.98,109.35) ; U1.20 167.07,112.48 176.13,112.48 274.08,129.76 277.94,127.05 REF**#84.1 ; 254.24,48.15 254.42,48.03 289.59,54.23 289.6,54.26 REF**#73.1 287.42,65.75 REF**#84.1 ; REF**#67.4 202.55,19.8 198.73,15.98 ; REF**#76.1 221.18,116.94 219.08,118.41 176.55,110.91 ; v2(131.09,107.31) 131.09,77.47 129.31,75.69 129.31,50.93 135.41,44.83 139.6,44.83 152.93,31.5 152.93,20.96 154.47,19.42 REF**#72.2 ; 204.88,12.67 200.66,8.46 REF**#109.1 ; REF**#80.3 244.01,105.39 244.4,105.12 ; U1.12 142.8,91.29 142.8,99.75 130.35,112.2 128.33,112.2 60.14,124.22 59.65,123.88 REF**#9.1 ; REF**#46.1 116.18,43.07 129.5,29.74 135.6,29.74 139.27,33.41 v2(140.09,33.41) ; U1.19 169.12,111.99 176.27,111.99 254.66,125.81 259.17,122.66 REF**#10.1 ; REF**#2.1 116.39,112.74 116.64,112.92 127.9,110.93 129.68,110.93 141.38,99.24 141.38,88.37 143.81,85.93 150.67,85.93 U1.27 ; v1(130.35,108.28) 128.57,106.5 128.57,50.16 134.67,44.07 138.53,44.07 147.93,34.67 REF**#19.1 ; 101.23,20.35 101.23,15.64 110.29,6.58 REF**#20.3 ; REF**#20.1 125.87,23.69 115.25,34.31 115.25,35.39 ; U1.10 143.71,95.22 143.71,100.2 130.77,113.15 128.5,113.15 22.99,131.75 21.91,131 REF**#124.1 ; REF**#45.1 78.53,120.09 79.08,120.47 128.21,111.81 130.13,111.81 142.34,99.59 142.34,88.82 144.27,86.89 146.56,86.89 U1.25 ; v2(140.62,35.66) 139.9,35.66 125.06,50.5 v2(125.06,67.98) ; REF**#69.1 40.85,127.55 41.4,127.94 128.45,112.59 130.67,112.59 143.26,100 143.26,93.14 U1.11 ; 176.55,110.91 172.15,110.91 165.61,104.37 165.61,88.77 165.2,88.37 U1.13 ; 176.55,110.91 176.41,110.88 ; REF**#80.1 252.94,40.11 REF**#70.1 ; REF**#98.1 179.87,110.26 176.62,109.68 172.65,109.68 166.73,103.76 166.73,87.5 165.4,86.18 157.84,86.18 U1.28 ; U1.18 171.11,111.44 176.36,111.44 238,122.31 240.03,120.88 REF**#80.1 ; REF**#10.1 268.46,62.41 REF**#33.1
  Bottom w0.25: REF**#2.1 114.23,107.17 REF**#18.1 ; 209.45,79.51 209.51,79.6 REF**#22.3 ; 228.82,82.93 228.43,83.2 REF**#117.3 ; REF**#111.3 216.21,42.2 216.42,42.05 ; REF**#11.1 118.02,60.98 v2(121.86,57.13) ; REF**#103.3 247.4,86.49 247.73,86.26 ; J1.1 177.06,67.61 177.06,102.23 v2(172.36,106.93) ; REF**#73.3 291.88,56 291.36,55.27 ; 225.14,101.72 225.11,101.75 REF**#76.3 ; 85.86,42.23 85.82,42.29 REF**#122.3 ; 219.59,22.6 219.63,22.66 REF**#28.3 ; REF**#2.3 114.75,96.35 114.28,96.02 ; REF**#31.1 215.03,33.38 REF**#28.1 ; REF**#99.3 231.8,64.34 231.9,64.28 ; REF**#57.1 19.48,123.88 REF**#124.1 ; REF**#25.3 266.29,89.62 266.39,89.55 ; 32.37,71.21 32.29,71.33 REF**#125.3 ; 103.39,39.55 103.68,41.2 REF**#107.3 ; REF**#51.3 283.64,94.98 284.05,92.66 ; 271.95,51.84 271.58,53.96 REF**#33.3 ; REF**#38.3 35.53,90 35.61,89.88 ; REF**#29.3 212.85,60.94 212.84,60.92 ; 51.08,67.91 51.14,67.95 REF**#7.3 ; 95.76,99.24 95.72,99.29 REF**#86.3 ; REF**#36.3 28.98,52.26 ; REF**#71.3 73.34,83.28 73.29,83.24 ; 110.71,76.64 111.41,77.13 REF**#108.3 ; 256.96,29.19 257.5,29.95 REF**#70.3 ; 63.4,26.59 63.46,26.63 REF**#37.3 ; v2(139.24,98.39) 132.36,105.27 132.36,107.21 129.31,110.26 128.1,110.26 127.49,109.65 127.49,106.45 127.52,106.42 127.52,106.25 124.78,103.52 REF**#96.1 ; REF**#5.3 89.11,61.26 89.16,61.2 ; 106.58,58.23 108.35,59.46 REF**#68.3 ; REF**#69.1 28.3,63.88 REF**#36.1 ; REF**#18.3 101.5,20.33 100.97,19.96 ; 280.69,111.72 281.65,113.1 REF**#84.3 ; REF**#50.1 233.98,36.77 REF**#76.1 ; 66.5,45.64 66.86,45.89 REF**#24.3 ; REF**#86.1 81.79,34.9 REF**#115.1 ; REF**#31.3 206.08,98.75 206.53,98.44 ; REF**#98.1 196.07,30.03 REF**#67.1 ; REF**#37.1 62.77,38.25 REF**#45.1 ; 54.32,86.58 54.38,86.62 REF**#13.3 ; v2(185.67,25.25) 154.3,25.25 v2(154.17,25.38) ; 238.75,25.98 238.64,26.06 REF**#50.3 ; REF**#127.3 253.91,50.13 252.74,48.46 ; 76.85,102.57 76.73,102.75 REF**#45.3 ; REF**#115.3 82.48,23.32 82.56,23.21 ; 235.43,45.4 235.16,45.59 REF**#60.3 ; 48.04,48.9 47.88,49.13 REF**#104.3 ; REF**#8.3 70.1,64.56 ; REF**#69.3 38.88,109.27 ; 269.47,70.9 269.61,71.11 REF**#39.3 ; 202.84,10.64 208.87,16.67 REF**#102.1 ; REF**#82.3 92.36,79.92 92.4,79.87 ; REF**#63.3 287.2,76.53 287.63,74.11 ; 57.79,105.93 57.75,105.99 REF**#9.3 ; 250.66,67.59 250.76,67.73 REF**#83.3 ; REF**#9.1 57.3,117.21 REF**#90.1
  vias: v1(29.03,52.26) v1(32.42,71.22) v1(35.66,89.89) v1(38.93,109.27) v1(48.09,48.9) v1(51.13,67.92) v1(54.37,86.59) v1(57.84,105.94) v1(63.45,26.59) v1(66.55,45.65) v1(70.14,64.57) v1(73.33,83.24) v1(76.9,102.58) v1(82.61,23.22) v1(85.91,42.23) v1(89.21,61.2) v1(92.45,79.87) v1(95.81,99.24) v1(101.02,19.97) v1(103.44,39.56) v1(106.63,58.23) v1(110.76,76.65) v1(114.33,96.03) v1(115.04,35.02) v1(198.73,15.93) v1(206.57,98.47) v1(209.49,79.54) v1(212.88,60.95) v1(216.46,42.08) v1(219.63,22.63) v1(225.18,101.76) v1(228.86,82.96) v1(231.94,64.31) v1(235.47,45.44) v1(238.79,26.01) v1(244.44,105.15) v1(247.77,86.29) v1(250.7,67.62) v1(252.78,48.49) v1(254.28,48.19) v1(257,29.22) v1(263,108.43) v1(266.43,89.58) v1(269.51,70.94) v1(271.99,51.88) v1(280.73,111.76) v1(284.09,92.7) v1(287.67,74.14) v1(291.4,55.3)
MISO: length 56.4
  Top w0.25: 160.73,93.45 164.49,89.69 164.49,73.53 172.47,65.56 172.47,60.47 170.25,58.25
  Bottom w0.25: U2.12 162.97,56.17 R1.2 166.73,54.19 170.23,57.69 J1.2
MOSI: length 32.1
  Bottom w0.25: U2.11 159.66,59.94 159.66,62.45 156.49,65.61 142.37,65.61 141.46,64.69 141.46,59.99 142.55,58.9 U4.3
MOSI_I: length 96.2
  Top w0.25: J1.4 167.98,55.41 167.98,61.92 163.84,66.06 147.18,66.06 v2(140.66,59.53) ; v1(163.02,84.3) 162.97,84.35 162.97,88.67 160.73,90.91 ; 170.25,53.17 174.75,57.68 174.75,68.4 176.78,70.43 176.78,74.55 173.79,77.55 167.89,77.55 165.91,79.53 v1(165.91,84.25)
  Bottom w0.25: v1(165.91,84.25) 163.07,84.25 ; v2(140.66,59.53) 140.03,58.9 U4.12
NCS: length 34.6
  Top w0.25: v2(145.06,55.63) 145.06,61.73 147.42,64.09 158.39,64.09 159.66,62.82 159.66,56.38 U2.13
  Bottom w0.25: v2(145.06,55.63) 145.06,56.49 143.92,57.63 U4.4
NCS_I: length 107.8
  Top w0.25: J1.5 167.53,53.32 167.53,61.73 163.66,65.61 148.23,65.61 v2(141.26,58.63) ; 170.25,50.63 176.38,56.77 176.38,68.81 177.8,70.23 177.8,75.41 174.45,78.77 168.81,78.77 167.84,79.73 167.84,91.41 160.73,98.53
  Bottom w0.25: v2(141.26,58.63) 140.26,57.63 U4.11
SCLK: length 27.2
  Bottom w0.25: U2.10 159.15,61.22 159.15,62.32 156.31,65.16 142.56,65.16 141.92,64.52 141.92,60.8 142.55,60.17 U4.2
SCLK_I: length 105.7
  Top w0.25: 160.73,95.99 165.1,91.62 165.1,74.14 173.23,66.01 173.23,58.7 170.25,55.71
  Bottom w0.25: J1.3 167.72,53.19 167.72,45.4 167.66,45.33 162.33,45.33 159.48,42.48 143.68,42.48 135.78,50.38 135.78,58.36 137.6,60.17 U4.13
Net-(C3-Pad1): length 4.7
  Bottom w0.25: U2.3 143.87,48.63 C3.1
Net-(IC1-Pad4): length 12
  Bottom w0.25: R3.1 156.96,67.77 R2.1 156.96,66.55 161.57,61.93 IC1.4
Net-(R4-Pad2): length 8.1
  Bottom w0.25: U2.15 158.59,49.91 158.59,45.58 R4.2

## Copper pours and planes (outline as drawn; the poured copper is in the pictures)
GND on Top, Bottom: 324.29,-21.65 -18.21,-25.31 -20.64,149.29 324.9,146.85
(no net) on Top: 311.69,-15.12 -5.7,-15.84 -5.55,140.17 311.44,140.38
(no net) on Bottom: 310.86,-15.53 -4.85,-15.79 -4.31,140.2 309.16,140.46

## Text on the board
B.Silkscreen: 10k | GND | 15k | ADJ | 2V | 3.3V | 5V | EN | MISO | MOSI | +5V | SCK | SS | 4.7u | 39 | 1u | 10u | 2.2u
F.Silkscreen: MISO | MOSI | GND | +5V | SCK | SS
